# Altium PCB FOC_DRIVER.PcbDoc (part 2 of 4)
Units mil, origin at the board's own origin, x right, y up, seen from the top; angles counter-clockwise.
Board outline 1968.5 x 1968.5 mil, 4 copper layers (Top Layer, POWER, GND, Bottom Layer), stack 23.756 mil thick; 167 components, 132 nets, 818 pads, 2345 vias.
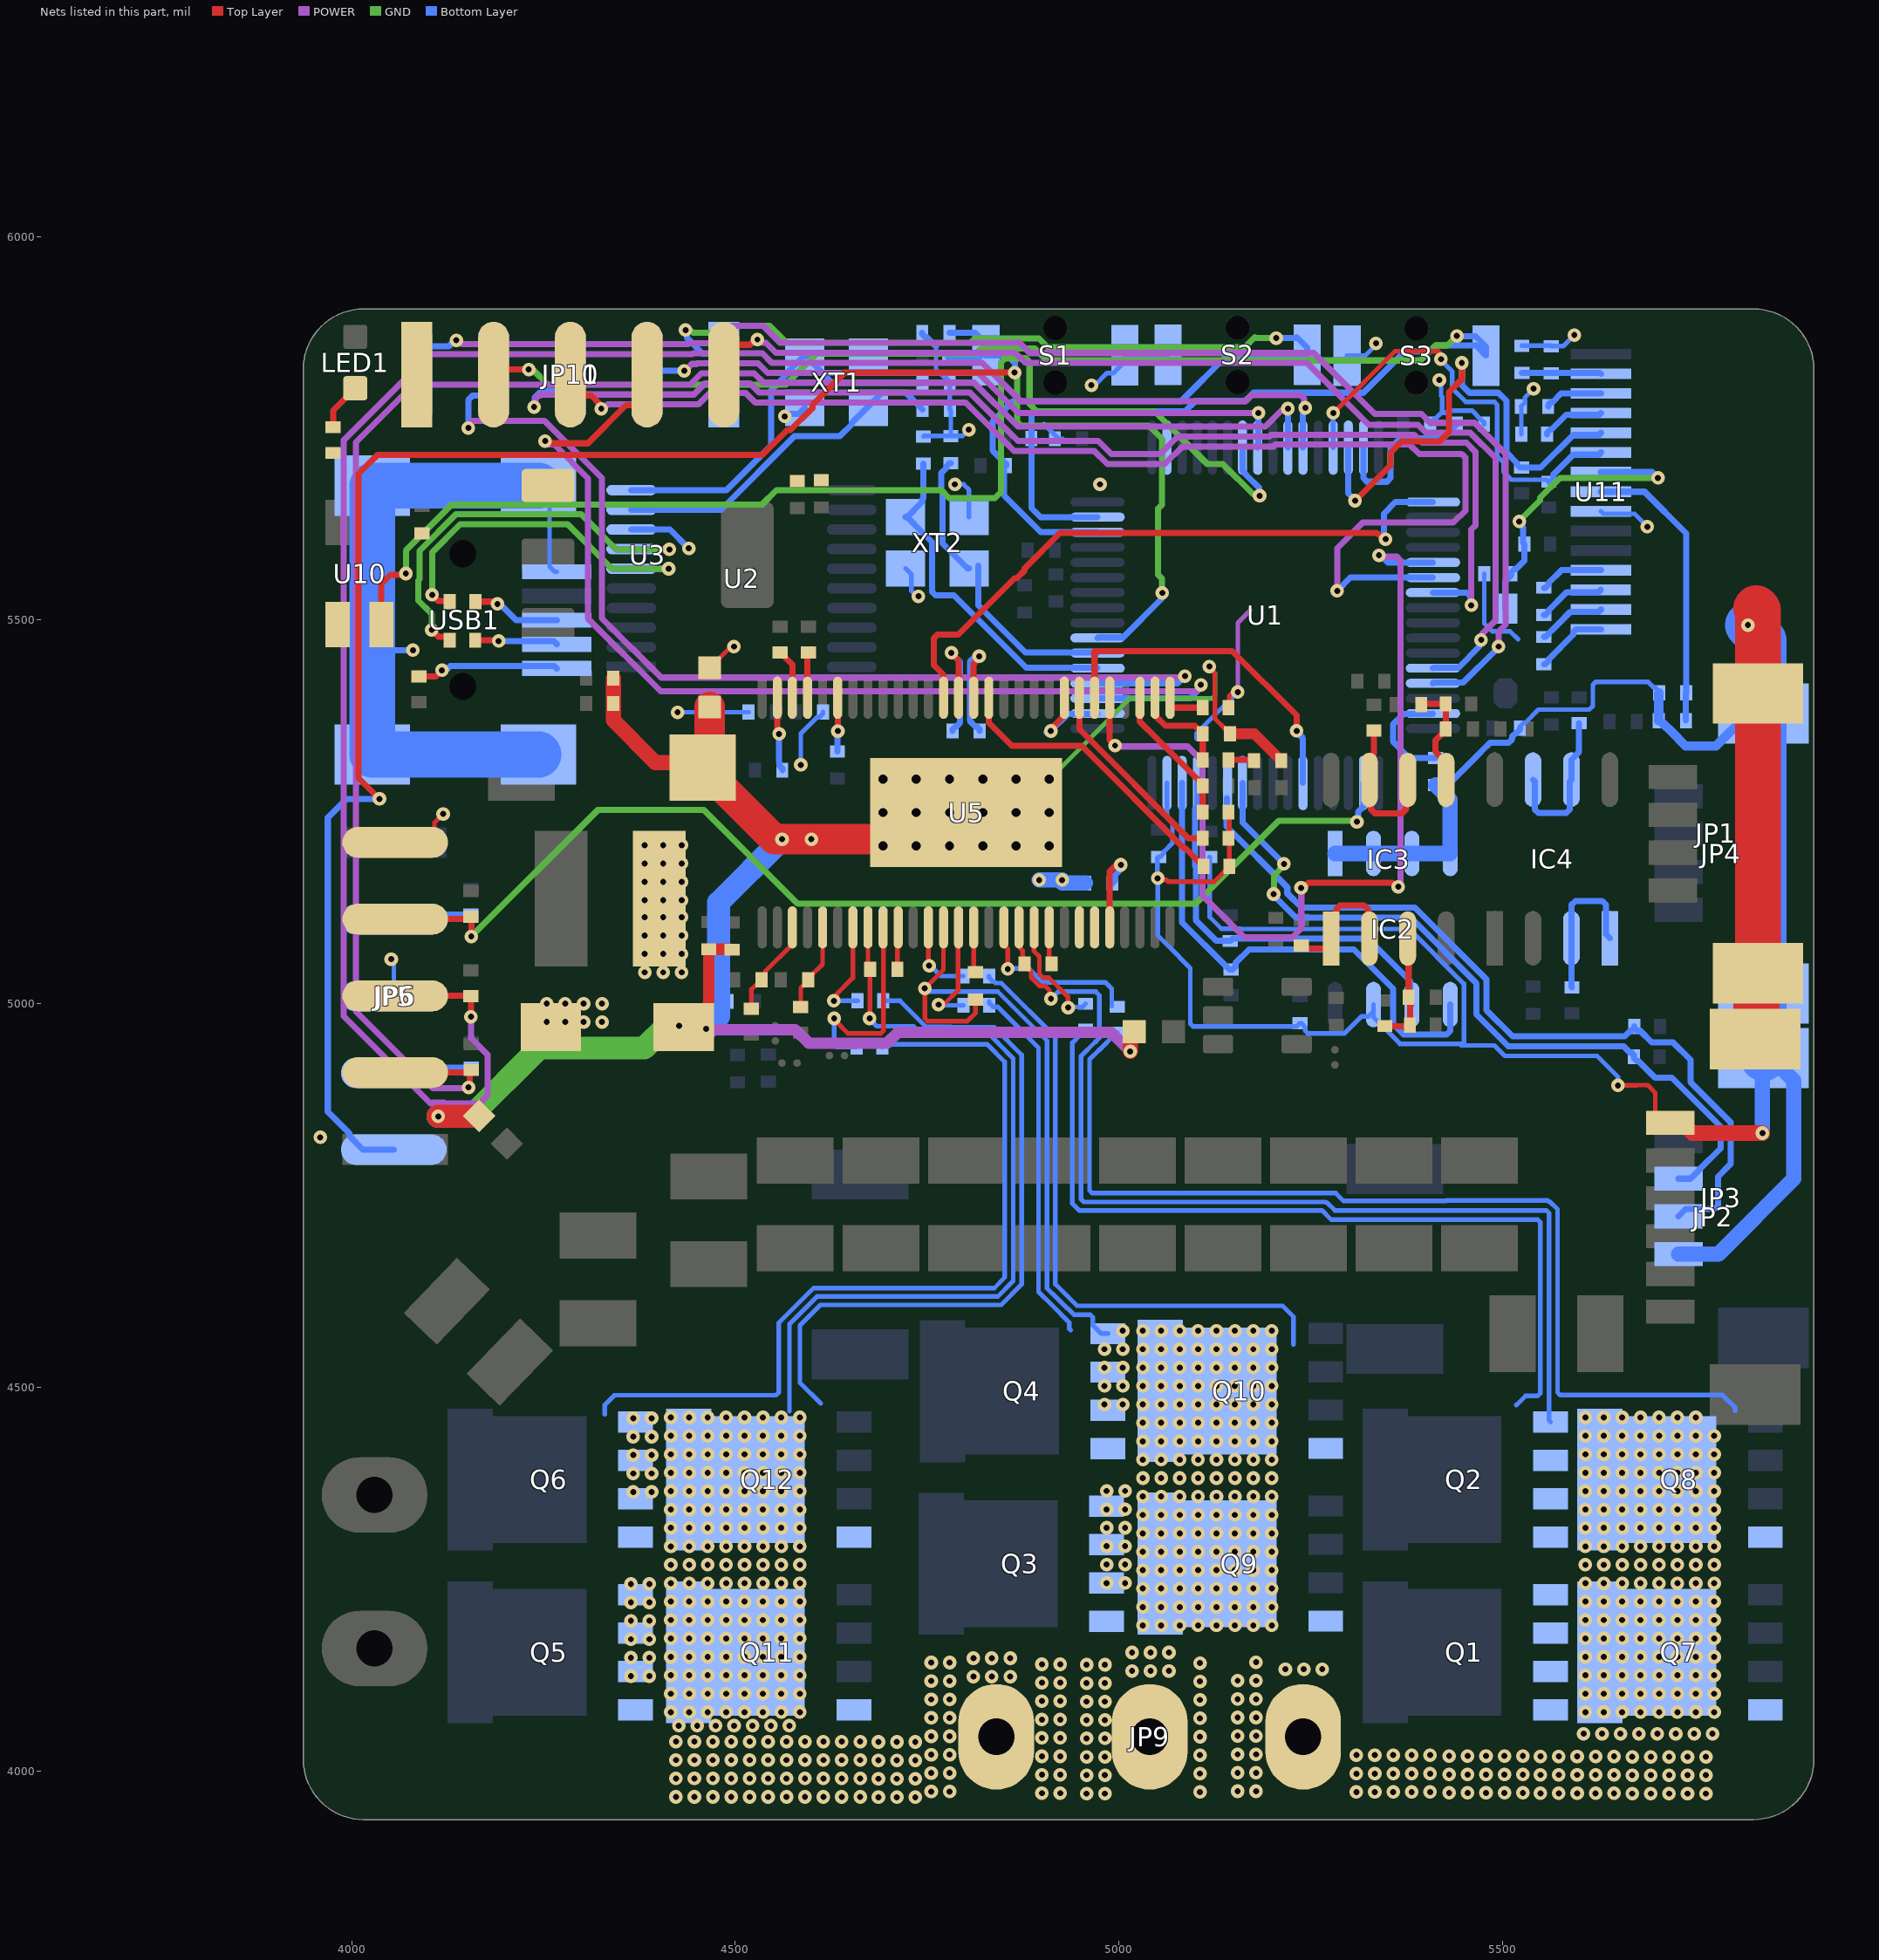
[diagram p4: the nets of this part, all layers, seen from the top]

## Via types
v1: diameter 17.72, hole 7.87, Top Layer to Bottom Layer, 2327 vias
v2: diameter 27.56, hole 11.81, Top Layer to Bottom Layer, 18 vias

## Nets (pads, with @x,y where several pads share a name; then routed paths per layer and width w, separated by ;. In a path a pad name is that pad's centre, name@x,y a point inside that pad or via, vN(x,y) a via of type N, cw(c..) or ccw(c..) an arc to the next point about the centre after c; other vN are vias at no path point) (continued)
DGND: C1.2 C3.2 C6.2 C7.1 C8.1 C9.2 C10.1 C11.2 C12.2 C13.2 C14.1 C15.2 C16.2 C17.1 C18.1 C20.2 C21.2 C27.1 C28.1 C29.1 C30.1 C41.1 C45.2 IC2.1 IC2.2 IC2.3 IC2.4 IC2.7 JP1.0 JP2.0@5828.74,4954.02 JP2.6 JP3.0@5839.57,4929.41 JP3.4 JP4.0 JP5.3 JP6.5 JP10.1 R9.1 R14.1 R17.2 R31.2 R40.1 R42.2 R46.1 R47.2 S1.2 S2.1 S3.1 U1.18 U1.63 U2.8 U3.1 U10.3 U11.7 USB1.5 XT1.2 XT1.4 XT2.2 XT2.4 | length 6981.4
  Top Layer w6: JP6.5@4056.9,5210.4 4092.09,5210.4 4107.86,5226.18 4107.86,5235.96 v1(4119.3,5247.4) ; R31.2@4466.6,5437.99 4494.22,5465.6 v1(4498.2,5465.6) ; v1(5050.3,5163.64) 5052.54,5161.4 5061.8,5161.4 5064,5159.2 5123.92,5159.2 5136.87,5172.15 5138.84,5172.15 5143.71,5177.03 R47.2@5143.71,5179 5143.71,5248.64 R42.2@5142.51,5249.84 ; R40.1@5137.64,5379.16 5142.51,5384.03 R40.1@5142.51,5386 5143.43,5386.92 5143.43,5401.33 5148.5,5406.4 v1(5154.7,5406.4) ; v1(5650.1,4893.7) 5674.29,4893.7 5674.64,4894.06 5688.88,4894.06 5698.76,4884.18 5698.76,4857.68 5711.51,4844.93 JP2.6@5718.09,4844.93
  Top Layer w20: JP2.6@5718.09,4844.93 5733.83,4844.93 5747.16,4831.6 v1(5838.4,4831.6)
  Top Layer w60: JP2.0@5828.74,4954.02 5830.67,4955.95 5830.67,5037.91 JP1.0@5832.6,5039.84 JP1.0@5832.6,5404.56 5832.6,5513.1 5830.3,5515.4
  POWER w6: v1(5154.7,5406.4) 5154.7,5496.5 5171.2,5513
  Bottom Layer w6: v1(4051.7,5058.2) 4051.7,5055.03 4055,5051.73 JP5.3@4055,5010 ; USB1.5@4243.43,5675.2 4258,5660.63 4258,5569.84 4264.84,5562.99 USB1.5@4267.36,5562.99 ; v1(4424.8,5379.9) 4425.04,5380.14 C3.2@4517.34,5380.14 ; v1(4585.3,5311.44) 4585.3,5352.35 4606.31,5373.36 4609.34,5373.36 4614.21,5378.23 C1.2@4614.21,5380.2 ; XT2.2@4721.86,5567.44 4729.27,5560.02 4729.27,5538.33 4736.61,5530.99 v1(4738.63,5530.99) ; C10.1@4745,5739.32 4745.6,5739.92 C14.1@4780.8,5739.92 ; 4761.7,5856.34 4761.7,5855.32 4761.44,5855.06 4761.44,5827.08 4772.57,5815.95 4774.54,5815.95 4779.41,5811.07 C9.2@4779.41,5809.1 4779.41,5774.7 C6.2@4779.51,5774.6 4780.8,5773.32 C14.1@4780.8,5739.92 ; v1(4786.1,5677) 4797.5,5677 4804.54,5669.96 XT2.4@4804.54,5634.36 ; v1(4804.2,5748.1) 4796.13,5740.03 4780.91,5740.03 C14.1@4780.8,5739.92 ; 4901.9,5755.7 4904.3,5753.3 4921.2,5736.4 4926.72,5736.4 ; v1(4963.9,5806.2) 4968.65,5806.2 4984.45,5822 4992.94,5822 5007.65,5836.71 S1.2@5007.65,5845.2 5063.45,5845.2 S2.1@5063.95,5845.7 ; v1(5050.3,5163.64) 5050.1,5163.84 5050.1,5189.88 C30.1@5051.7,5191.48 5053.67,5191.48 5058.54,5196.36 5058.54,5198.33 5069.54,5209.32 5069.54,5238.1 5062.55,5245.09 U1.63@5062.55,5287.8 ; v1@5050.5,5163.64 5050.5,5089.2 5078.7,5061 5078.7,5060.57 5092.9,5046.37 5092.9,4974.06 5096.41,4970.54 5231.56,4970.54 C15.2@5235.7,4974.69 5237.67,4974.69 5242.55,4969.81 5242.55,4965.06 5246.06,4961.55 5293.97,4961.55 5316.17,4983.75 5325.18,4983.75 IC2.7@5331.5,4990.07 ; 5100.8,5345.7 5100.8,5352.5 v1(5154.7,5406.4) ; R14.1@5118.2,5191.15 5118.2,5113.23 5133.56,5097.86 5158.16,5097.86 5158.52,5097.5 5377.99,5097.5 5449.34,5026.15 5449.34,4949.31 5447.93,4947.9 ; S3.1@5297.15,5844.7 5320.6,5844.7 5334.8,5858.9 v1(5334.8,5860.6) ; IC2.7@5331.5,4999.07 IC2.7@5331.5,4990.07 ; C27.1@5405.52,5755.5 5405.52,5757.47 5410.39,5762.34 5412.09,5762.34 5419.82,5770.08 ; v1(5417.4,5812.9) 5417.17,5812.9 5415.6,5811.33 5419.56,5807.37 5419.56,5792.29 5421.06,5790.78 5421.06,5771.32 5419.82,5770.08 ; C18.1@5475.72,5755.3 5475.72,5757.27 5470.84,5762.14 5459.85,5773.14 5429.1,5773.14 5426.04,5770.08 5419.82,5770.08 ; C16.2@5475.89,5560.4 5475.89,5495.68 5486.07,5485.5 5509.5,5485.5 5520.1,5474.9 ; C29.1@5522.32,5359.3 5522.32,5361.27 5527.19,5366.14 5529.16,5366.14 5546.46,5383.44 5612.65,5383.44 5617.34,5388.13 5617.34,5415.89 5620.85,5419.4 5689.51,5419.4 5696.86,5412.04 5698.83,5412.04 5703.71,5407.17 C7.1@5703.71,5405.2 ; R9.1@5524.35,5742.3 5524.35,5777.83 C13.2@5523.79,5778.4 5528.66,5783.27 5528.66,5790.06 v1(5540.1,5801.5) ; C12.2@5524.9,5857.61 5562.6,5857.61 C11.2@5563.2,5857.01 5578.81,5857.01 v1(5593.3,5871.5) ; U11.7@5627.95,5641.73 5631.19,5638.5 5671.7,5638.5 v1(5688.4,5621.8) ; v1(5650.1,4893.7) 5650.1,4905 5622.9,4932.2 5502.67,4932.2 5489.07,4945.8 5445.83,4945.8 5447.93,4947.9 ; IC2.7@5331.5,4990.07 5331.5,4982.5 5366.1,4947.9 5447.93,4947.9
  Bottom Layer w8: 4026.89,5463.3 4029.29,5460.9 v1(4079.9,5460.9) ; U2.8@4364.4,5618.18 4414.72,5618.18 v1(4439.4,5593.5) ; v1(4564.46,5765.54) 4567.51,5768.59 4582.42,5768.59 XT1.4@4590.56,5776.74 ; C41.1@4743.58,5874.6 4743.58,5872.63 4747.46,5868.76 4749.43,5868.76 4761.7,5856.48 4761.7,5856.34 ; C17.1@5412.5,5285.08 5414.5,5287.09 5430.58,5287.09 5472.14,5328.64 5472.14,5329.07 5483.52,5340.45 5507.86,5340.45 5512.55,5345.14 5512.55,5348.77 5517.24,5353.46 5518.44,5353.46 5522.32,5357.33 C29.1@5522.32,5359.3
  Bottom Layer w12: C8.1@5703.28,5369 5703.28,5404.78 C7.1@5703.71,5405.2 ; C8.1@5709.29,5365.16 5719.84,5354.6 5738.33,5336.11 5777.76,5336.11 5819.88,5378.23 JP4.0@5839.57,5378.23
  Bottom Layer w20: IC2.1@5281.5,5195.93 IC2.2@5331.5,5195.93 IC2.3@5381.5,5195.93 IC2.4@5431.5,5195.93 5431.5,5266.08 C17.1@5412.5,5285.08 ; JP3.4@5728.91,4673.77 5781.07,4673.77 5879.3,4772 5879.3,4900.04 5849.93,4929.41 JP3.0@5839.57,4929.41 5838.4,4928.24 v1(5838.4,4831.6)
  Bottom Layer w60: USB1.5@4243.43,5324.81 USB1.5@4026.89,5324.81 4026.89,5463.3 USB1.5@4026.89,5675.2 USB1.5@4243.43,5675.2 ; v1(5819.5,5493.6) 5839.57,5473.53 JP4.0@5839.57,5378.23 JP4.0@5839.57,5013.5 JP3.0@5839.57,4929.41
  other v1: 3959.2,4826 4975.2,5677
EN_GATE: U1.33 U5.16 | length 837.8
  Top Layer w8: U5.16@4771.27,5398.91 4770.8,5399.38 4770.8,5429.4 4758.6,5441.6 4758.6,5476.39 4763.29,5481.07 4790.47,5481.07 4863.9,5554.5 4866.68,5554.5 4877.14,5564.96 4877.14,5567.74 4923,5613.6 5335.46,5613.6 5336.79,5612.27 5337.89,5612.27 5344.67,5605.48 v1(5347.3,5605.48)
  Bottom Layer w8: v1(5347.3,5605.48) 5347.3,5608.1 5345,5610.41 5345,5638.8 5360.14,5653.94 U1.33@5409,5653.94
ENC_A: JP6.2 R18.1 U1.26 | length 2392.6
  Top Layer w8: JP6.2@4056.9,4910.4 4152.55,4910.4 R18.1@4155.9,4913.75 ; v1(4152.49,4891.21) 4154.2,4892.91 4154.2,4909.87 4154.72,4910.4 R18.1@4155.4,4910.4
  POWER w8: v1(4152.49,4891.21) 4151.49,4890.2 4105.6,4890.2 4005.5,4990.3 4005.5,5731.92 4080.48,5806.9 4239.76,5806.9 4239.9,5807.04 4440.9,5807.04 4455.66,5821.8 4524.37,5821.8 4536.77,5809.4 4811.1,5809.4 4868.3,5752.2 5190.56,5752.2 5212.05,5773.68 5218.07,5773.68 v1(5219.93,5775.54)
  Bottom Layer w8: v1(5219.93,5775.54) 5219.93,5724.9 U1.26@5220.03,5724.8
ENC_B: JP6.3 R19.1 U1.27 | length 2623.3
  Top Layer w8: JP6.3@4056.9,5010.4 4155.05,5010.4 R19.1@4155.4,5010.05 4155.5,5009.95 v1(4155.5,4983.1)
  POWER w8: v1(4155.5,4983.1) 4155.5,4955.4 4177.3,4933.6 4177.3,4881 4166.74,4870.44 4121.11,4870.44 4120.3,4871.26 4105.5,4871.26 4104.69,4870.44 4102.87,4870.44 3989.6,4983.71 3989.6,5734.4 4102.05,5846.85 4443.94,5846.85 4444.89,5847.8 4535.14,5847.8 4547.54,5835.4 4821.87,5835.4 4872.25,5785.02 5164.25,5785.02 5172.63,5793.4 5236.63,5793.4 5241.32,5788.71 5241.32,5778.18 v1(5242.8,5776.7)
  Bottom Layer w8: U1.27@5239.71,5724.8 5239.71,5774.01 5242.4,5776.7 v1(5242.8,5776.7)
ENC_Z: JP6.4 R20.1 U1.50 | length 1497.9
  Top Layer w8: JP6.4@4056.9,5110.4 4152.35,5110.4 R20.1@4155.4,5113.45 4156,5112.85 v1(4156,5087.7)
  GND w8: v1(4156,5087.7) 4320.8,5252.5 4459.2,5252.5 4581.1,5130.6 5099.9,5130.6 5208,5238.7 5308.58,5238.7 v1(5310,5237.28)
  Bottom Layer w8: v1(5310,5237.28) 5311.86,5239.14 5311.86,5250.26 5316.55,5254.95 5316.55,5255.33 5318.45,5257.24 U1.50@5318.45,5287.8
GH_A: R43.1 U5.47 | length 152.3
  Top Layer w6: U5.47@4889.38,5099.69 4889.17,5099.48 4889.17,5068.75 4896.34,5061.58 4896.34,5038.94 4901.03,5034.26 4908.39,5034.26 4933.58,5009.06 4933.58,4995.22 v1(4933.74,4995.06)
  Bottom Layer w6: v1(4933.74,4995.06) 4934.59,4995.91 4952.36,4995.91 R43.1@4956.5,5000.05
GH_B: R44.1 U5.42 | length 148.1
  Top Layer w6: v1(4764.87,4998.93) 4771.53,4998.93 4790.07,5017.47 4790.07,5098.81 U5.42@4790.96,5099.69
  Bottom Layer w6: v1(4764.87,4998.93) 4765.6,4998.2 R44.1@4797.25,4998.2
GH_C: R45.1 U5.37 | length 274.2
  Top Layer w6: v1(4628.8,4981.06) 4631.8,4978.06 4631.8,4976.4 4646.78,4961.42 4689.49,4961.42 4693,4964.93 4693,5099.23 U5.37@4692.53,5099.69
  Bottom Layer w6: v1(4628.8,4981.06) 4628.8,4947.21 4632.31,4943.7 R45.1@4658.04,4943.7
GL_A: R50.1 U5.45 | length 214.5
  Top Layer w6: U5.45@4850.01,5088.66 4850.01,5076.61 4855,5071.62 v1(4855,5045.43)
  Bottom Layer w6: v1(4855,5045.43) 4855.77,5046.2 4882.25,5046.2 4900.35,5028.1 4982.1,5028.1 4990.45,5019.75 R50.1@4990.45,4997.29
GL_B: R51.1 U5.40 | length 100.7
  Top Layer w6: U5.40@4751.59,5099.69 4751.59,5050.71 v1(4752.65,5049.64)
  Bottom Layer w6: v1(4752.65,5049.64) 4754.46,5049.64 4767.99,5036.11 R51.1@4797.27,5036.11
GL_C: R52.1 U5.35 | length 136.8
  Top Layer w6: v1(4628.46,5004) 4628.46,5007.17 4632.56,5011.27 4632.56,5013.16 4653.16,5033.76 U5.35@4653.16,5099.69
  Bottom Layer w6: v1(4628.46,5004) R52.1@4659.37,5004
GND: C31.2 C32.2 C46.2 C47.2 C48.2 C49.2 C60.1 D6.1 E1.2 R30.2 R31.1 R32.1 U5.57 | length 2682.8
  Top Layer w6: v1(5117.8,5439.6) 5117.8,5438.2 5124.78,5431.22 5124.78,5399.3 5124.92,5399.16 5124.92,5371.52 5137.63,5358.81 5139.6,5358.81 5144.48,5353.93 C46.2@5144.48,5351.96
  Top Layer w14: C46.2@5144.48,5351.96 5176.45,5351.96 5208.57,5319.84 5210.54,5319.84 5211.41,5318.97 C47.2@5211.41,5317
  Top Layer w15: D6.1@4432.81,4969.7 4440.69,4969.7 4464.68,4993.7 4464.68,5001.57 4465.4,5002.28 C48.2@4465.4,5071.19 4493.48,5071.19 4494.03,5070.64 C49.2@4496,5070.64
  Top Layer w20: C32.2@4341.01,5424.3 4341.11,5424.2 C31.2@4341.11,5391.4 4341.11,5369.29 4396.02,5314.38 4451.03,5314.38 E1.2@4457.61,5307.8 ; v1(5014.65,4938.05) 5014.8,4938.2 5014.8,4958.5 R32.1@5019.8,4963.5
  Top Layer w30: v1(4112.9,4853.4) R30.2@4155.01,4853.4
  Top Layer w40: R31.1@4466.6,5386.81 4466.6,5316.79 E1.2@4457.61,5307.8 4550.91,5214.5 v1(4560.9,5214.5) v1(4599.2,5214.5) 4766,5214.5 U5.57@4800.8,5249.3
  POWER w15: v1@4461.9,4966.4 4577.9,4966.4 4595.6,4948.7 4697.64,4948.7 4711.64,4962.7 4990,4962.7 v1(5014.65,4938.05)
  GND w6: v2(4909.07,5292.61) 5014.48,5398.02 5121.41,5398.02 5124.92,5401.54 5124.92,5430.23 5117.8,5437.35 v1(5117.8,5439.6)
  GND w30: v1(4112.9,4853.4) 4155.5,4853.4 4244.5,4942.4 4381.3,4942.4 4410.5,4971.6 v1(4426.9,4971.6)
  Bottom Layer w30: v1(4426.9,4971.6) 4431.1,4967.4 v1(4461.9,4967.4) 4478.4,4983.9 4478.4,5014.98 4478.29,5015.1 4478.29,5131.89 v1(4560.9,5214.5) v1(4599.2,5214.5)
  other v2: 4692.53,5205.99 4735.84,5205.99 4779.15,5205.99 4822.45,5205.99 4865.76,5205.99 4909.07,5205.99 4692.53,5249.3 4735.84,5249.3 4779.15,5249.3 4822.45,5249.3 4865.76,5249.3 4909.07,5249.3 4692.53,5292.61 4735.84,5292.61 4779.15,5292.61 4822.45,5292.61 4865.76,5292.61
GPIO_1: JP11.1 R36.2 S2.2 U1.14 | length 1630.2
  GND w8: v1(4435.1,5878.11) 4436.96,5876.25 4443.1,5876.25 4444.74,5874.6 4486.01,5874.6 4494.93,5883.52 4545.1,5883.52 4567.22,5861.4 4806.12,5861.4 4811.96,5867.24 4895.49,5867.24 4906.85,5855.88 5164.25,5855.88 5177.07,5868.7 5178.27,5867.5 v1(5204.8,5867.5)
  Bottom Layer w8: v1(4435.1,5878.11) 4437.06,5876.15 4437.06,5867.94 4457.61,5847.39 4468.92,5847.39 4485,5831.31 JP11.1@4485,5820 ; U1.14@4972,5614.57 4897.98,5614.57 4850.24,5662.3 4850.24,5698.88 R36.2@4852.76,5701.4 4852.76,5703.37 4835.33,5720.81 4835.33,5759.03 4861.32,5785.02 5080.62,5785.02 5140.4,5844.8 5244.15,5844.8 S2.2@5245.05,5845.7 5245.05,5854.98 5231.34,5868.7 5230.14,5867.5 v1(5204.8,5867.5)
GPIO_2: JP10.2 R37.2 S3.2 U1.15 | length 2208.5
  Top Layer w8: JP10.2@4185,5820 4191.5,5826.5 v1(4230.9,5826.5)
  GND w8: v1(4230.9,5826.5) 4236.1,5826.5 4255.77,5806.83 4565.73,5806.83 4605.9,5847 4813.62,5847 4820.86,5854.24 4890.1,5854.24 4905.94,5838.4 5392.68,5838.4 5412.2,5857.92 5427.82,5857.92 v1(5440.3,5870.4)
  Bottom Layer w8: U1.15@4972,5634.25 4897.95,5634.25 4886,5646.2 4886,5736.16 R37.2@4885.66,5736.5 4885.86,5736.69 4885.86,5767.34 4890.54,5772.02 5086.01,5772.02 5099.51,5785.52 5164.75,5785.52 5175.56,5796.33 5318.59,5796.33 5372.56,5850.3 5404.58,5850.3 5412.2,5857.92 5465.03,5857.92 S3.2@5478.25,5844.7 5478.25,5856.01 5464.54,5869.73 5440.97,5869.73 v1(5440.3,5870.4)
GPIO_3: JP11.2 U1.24 | length 877.1
  POWER w8: v1(4433.5,5824.9) 4434.09,5824.9 4443.04,5833.85 4449.32,5833.85 4450.27,5834.8 4529.76,5834.8 4542.16,5822.4 4816.48,5822.4 4868.81,5770.08 v1(5181.7,5770.08)
  Bottom Layer w8: JP11.2@4385,5820 4389.9,5824.9 v1(4433.5,5824.9) ; U1.24@5180.66,5724.8 5181.39,5725.53 5181.39,5757.76 5181.7,5758.07 v1(5181.7,5770.08) v1@5181.7,5771.8
GPIO_4: JP10.3 U1.38 | length 1702.7
  Top Layer w8: JP10.3@4285,5820 4285,5807.46 4299.85,5792.61 4312.39,5792.61 4323.44,5781.56 4323.44,5777.26 v1(4325.3,5775.4)
  POWER w8: v1(4325.3,5775.4) 4327.93,5775.4 4333.57,5781.04 4451.67,5781.04 4466.42,5795.8 4513.61,5795.8 4526.01,5783.4 4800.33,5783.4 4863.08,5720.66 4967.56,5720.66 4985.02,5703.2 5059.5,5703.2 5082.5,5726.2 5201.33,5726.2 5203.87,5728.74 5378.86,5728.74 5391.2,5716.39 5446.61,5716.39 5451.3,5711.7 5451.3,5642.8 5435.6,5627.1 5317.6,5627.1 5284.3,5593.8 v1(5284.3,5538.2)
  Bottom Layer w8: v1(5284.3,5538.2) 5301.61,5555.51 U1.38@5409,5555.51
GPIO_5: JP11.3 U1.39 | length 1642.9
  POWER w8: v1(4237.8,5777.74) 4239.66,5779.6 4239.66,5788.41 4243.85,5792.6 4245.9,5792.6 4247.34,5794.04 4446.28,5794.04 4461.04,5808.8 4518.99,5808.8 4531.39,5796.4 4805.72,5796.4 4868.46,5733.66 4972.95,5733.66 4990.12,5716.48 5053.48,5716.48 5076.2,5739.2 5195.95,5739.2 5198.48,5741.74 5384.24,5741.74 5394.88,5731.1 5452.53,5731.1 5464.3,5719.33 5464.3,5623.29 5459.03,5618.02 v1(5459.03,5519.35)
  Bottom Layer w8: v1(4237.8,5777.74) 4238.89,5778.83 4238.89,5790.15 4247.34,5798.6 4270.15,5798.6 4285,5813.45 JP11.3@4285,5820 ; U1.39@5409,5535.83 5453.16,5535.83 5457.84,5531.14 5457.84,5520.53 v1(5459.03,5519.35)
GPIO_6: JP10.4 U1.3 | length 1449.2
  Top Layer w8: v1(4252.1,5733.46) 4253.96,5731.6 4260.45,5731.6 4261.64,5730.4 4307.94,5730.4 4357.61,5780.07 4370.15,5780.07 4385,5794.92 JP10.4@4385,5820
  POWER w8: v1(4252.1,5733.46) 4256.69,5728.86 4264.05,5728.86 4308.1,5684.82 4308.1,5502 4402.76,5407.34 5101.1,5407.34 5106.06,5412.31 5106.06,5419.94 5106.6,5419.4 v1(5106.6,5415.6)
  Bottom Layer w8: U1.3@4972,5398.03 5092.93,5398.03 5106.06,5411.16 5106.06,5419.94 5106.6,5419.4 v1(5106.6,5415.6)
GPIO_7: JP11.4 U1.4 | length 1395
  POWER w8: v1(4152.2,5750.46) 4152.2,5753.09 4156.58,5757.47 4156.58,5759.58 4156.89,5759.88 4251.42,5759.88 4326.1,5685.2 4326.1,5502.38 4403.28,5425.2 5077.08,5425.2 5083.97,5425.22 v1(5085.83,5427.08)
  Bottom Layer w8: v1(4152.2,5750.46) 4152.2,5787.2 4157.61,5792.61 4170.15,5792.61 4185,5807.46 JP11.4@4185,5820 ; U1.4@4972,5417.72 5076.28,5417.72 5085.65,5427.08 v1(5085.83,5427.08)
GPIO_8: JP10.5 U1.44 | length 1429.4
  Top Layer w8: JP10.5@4485,5820 4485,5844 4499.85,5858.86 4519.37,5858.86 4526.17,5865.66 v1(4528.8,5865.66)
  POWER w8: v1(4528.8,5865.66) 4531.43,5865.66 4535.69,5861.4 4539.93,5861.4 4552.93,5848.4 4865.07,5848.4 4878.43,5835.04 5245.06,5835.04 5325.36,5754.74 5389.62,5754.74 5400.26,5744.1 5457.92,5744.1 5490.6,5711.42 5490.6,5499.63 5473.58,5482.61 5473.58,5476.12 v1(5471.73,5474.26)
  Bottom Layer w8: U1.44@5409,5437.4 5409.73,5438.13 5442.33,5438.13 5469.87,5465.67 5469.87,5472.4 v1(5471.73,5474.26)
GPIO_9: JP11.5 U1.45 | length 1894.1
  POWER w8: v1(4136.5,5864.71) 4139.13,5864.71 4143.99,5859.85 4438.55,5859.85 4439.5,5860.8 4474.5,5860.8 4497.22,5883.52 4536.2,5883.52 4558.31,5861.4 4870.46,5861.4 4883.82,5848.04 5253.76,5848.04 5333.2,5768.6 5394.14,5768.6 5405.64,5757.1 5463.3,5757.1 5503.6,5716.8 5503.6,5494.24 5494.5,5485.14 v1(5494.5,5465.6)
  Bottom Layer w8: JP11.5@4085,5820 4085,5842.25 4099.85,5857.1 4126.96,5857.1 4134.57,5864.71 v1(4136.5,5864.71) ; U1.45@5409,5417.72 5409.73,5418.45 5448.27,5418.45 5489.62,5459.8 v1@5494.5,5464.68 ; v1@5494.5,5464.68 5495.42,5465.6 v1(5494.5,5465.6) v1@5494.5,5464.68
GVDD: R47.1 U5.13 | length 391.3
  Top Layer w8: U5.13@4830.33,5398.91 4830.33,5366.27 4860.5,5336.1 4951.3,5336.1 5084.6,5202.8 5086.44,5202.8 5104.41,5184.84 5106.37,5184.84 5110.25,5180.97 R47.1@5110.25,5179
I2C_1_SCL: JP3.2 R3.1 U1.58 | length 1007.8
  GND w8: v1(5201.45,5143.04) 5201.8,5143.39 5201.8,5167.6 5215,5180.8 v1(5215,5182.4)
  Bottom Layer w8: U1.58@5160.97,5287.8 5160.97,5236.43 v1(5215,5182.4) ; v1(5201.45,5143.04) 5201.8,5142.7 5201.8,5140.6 5230.24,5112.16 5380.3,5112.16 5465.7,5026.76 5465.7,4986.13 5507.24,4944.6 5657.55,4944.6 5665.21,4936.95 5667.17,4936.95 5671.05,4933.07 5671.05,4929.13 5674.92,4925.26 5676.89,4925.26 5698.45,4903.7 5720.3,4903.7 5783.8,4840.2 5783.8,4811.8 5756.41,4784.41 5756.41,4783.94 5744.66,4772.2 JP3.2@5728.91,4772.2
I2C_1_SDA: JP3.3 R2.1 U1.59 | length 1083
  Bottom Layer w8: U1.59@5140.56,5268.26 5140.56,5254.84 5140.1,5254.39 5140.1,5231 5219.31,5151.79 5219.31,5143.83 5237.78,5125.36 5385.49,5125.36 5478.9,5031.95 5478.9,4991.6 5512.9,4957.6 5659.1,4957.6 5666.36,4964.86 5667.47,4964.86 R2.1@5671.35,4968.73 ; R2.1@5671.35,4970.7 R2.1@5671.35,4968.73 ; JP3.3@5728.91,4722.98 5738.43,4732.5 5775.78,4732.5 5780.47,4737.19 5780.47,4774.92 5796.8,4791.26 5796.8,4845.8 5744.74,4897.86 5744.74,4926.91 5721.71,4949.95 5694.07,4949.95 5679.16,4964.86 5675.22,4964.86 R2.1@5671.35,4968.73
nCS: U1.2 U5.8 | length 135.9
  Top Layer w8: v1(4911.07,5355.57) 4911.09,5358.19 4923.97,5371.08 4923.97,5371.44 4928.75,5376.22 U5.8@4928.75,5398.91
  Bottom Layer w8: U1.2@4972,5378.35 4971.65,5378 4933.5,5378 v1(4911.07,5355.57) ; v1(4911.07,5355.57) 4906.84,5355.6 4905.2,5353.96 4907.33,5351.83 v1(4911.07,5355.57)